# Allegro board 08_038702e.brd (continued)
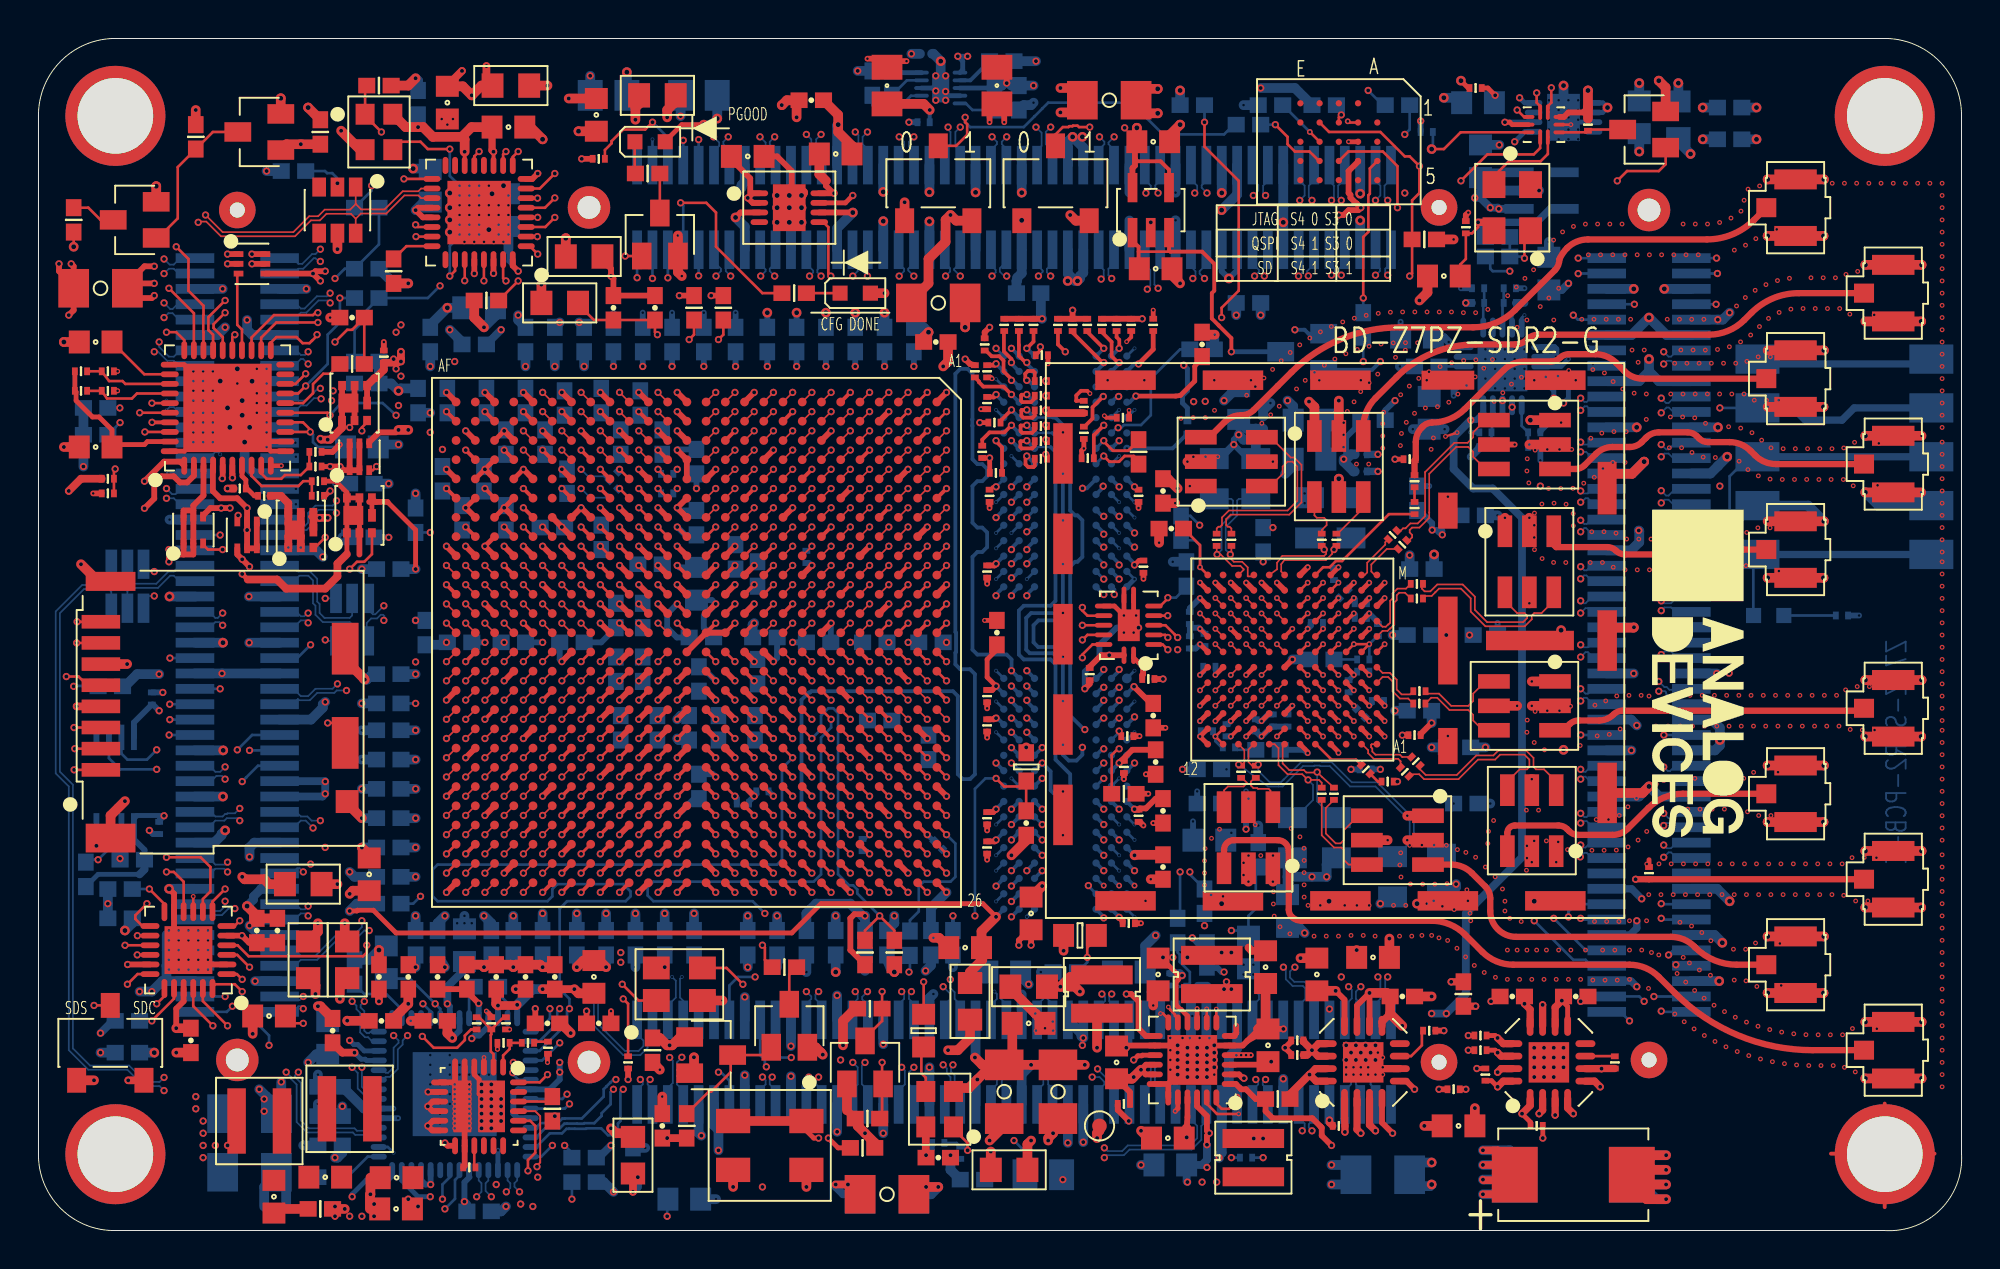
[diagram p0: board, top side]
## Nets (continued)
IO_L01_13_JX2_P: JX2.1(N1) U1.AA25(IO_L1P_T0_13)
IO_L01_33_JX1_N: JX1.37(N19) U1.F4(IO_L1N_T0_33)
IO_L01_33_JX1_P: JX1.35(N18) U1.G4(IO_L1P_T0_33)
IO_L01_34_JX4_N: JX4.21(N11) U1.H11(IO_L1N_T0_34)
IO_L01_34_JX4_P: JX4.19(N10) U1.J11(IO_L1P_T0_34)
IO_L01_35_RX_D0_N: U1.E12(IO_L1N_T0_AD0N_35) U17.K11(P1_D0/RX_D0_N)
IO_L01_35_RX_D0_P: U1.F12(IO_L1P_T0_AD0P_35) U17.J12(P1_D1/RX_D0_P)
IO_L02_12_JX3_N: JX3.27(N14) U1.AC11(IO_L2N_T0_12)
IO_L02_12_JX3_P: JX3.25(N13) U1.AB12(IO_L2P_T0_12)
IO_L02_13_JX2_N: JX2.4(N2) U1.AC26(IO_L2N_T0_13)
IO_L02_13_JX2_P: JX2.2(N1) U1.AB26(IO_L2P_T0_13)
IO_L02_33_JX1_N: JX1.43(N22) U1.D3(IO_L2N_T0_33)
IO_L02_33_JX1_P: JX1.41(N21) U1.D4(IO_L2P_T0_33)
IO_L02_34_JX4_N: JX4.22(N11) U1.G5(IO_L2N_T0_34)
IO_L02_34_JX4_P: JX4.20(N10) U1.G6(IO_L2P_T0_34)
IO_L02_35_RX_D1_N: U1.D10(IO_L2N_T0_AD8N_35) U17.K10(P1_D2/RX_D1_N)
IO_L02_35_RX_D1_P: U1.E10(IO_L2P_T0_AD8P_35) U17.J11(P1_D3/RX_D1_P)
IO_L03_12_JX3_N: JX3.28(N14) U1.AA10(IO_L3N_T0_DQS_12)
IO_L03_12_JX3_P: JX3.26(N13) U1.Y10(IO_L3P_T0_DQS_12)
IO_L03_13_JX2_N: JX2.7(N4) U1.AE26(IO_L3N_T0_DQS_13)
IO_L03_13_JX2_P: JX2.5(N3) U1.AE25(IO_L3P_T0_DQS_13)
IO_L03_33_JX1_N: JX1.44(N22) U1.F2(IO_L3N_T0_DQS_33)
IO_L03_33_JX1_P: JX1.42(N21) U1.G2(IO_L3P_T0_DQS_33)
IO_L03_34_JX4_N: JX4.27(N14) U1.G9(IO_L3N_T0_DQS_34)
IO_L03_34_JX4_P: JX4.25(N13) R53.1(N1) U1.H9(PUDC_B)
IO_L03_35_RX_D2_N: U1.F10(IO_L3N_T0_DQS_AD1N_35) U17.K9(P1_D4/RX_D2_N)
IO_L03_35_RX_D2_P: U1.G10(IO_L3P_T0_DQS_AD1P_35) U17.J10(P1_D5/RX_D2_P)
IO_L04_12_JX3_N: JX3.33(N17) U1.AB10(IO_L4N_T0_12)
IO_L04_12_JX3_P: JX3.31(N16) U1.AB11(IO_L4P_T0_12)
IO_L04_13_JX2_N: JX2.8(N4) U1.AD26(IO_L4N_T0_13)
IO_L04_13_JX2_P: JX2.6(N3) U1.AD25(IO_L4P_T0_13)
IO_L04_33_JX1_N: JX1.49(N25) U1.C1(IO_L4N_T0_33)
IO_L04_33_JX1_P: JX1.47(N24) U1.D1(IO_L4P_T0_33)
IO_L04_34_JX4_N: JX4.28(N14) U1.H6(IO_L4N_T0_34)
IO_L04_34_JX4_P: JX4.26(N13) U1.H7(IO_L4P_T0_34)
IO_L04_35_RX_D3_N: U1.D11(IO_L4N_T0_35) U17.K8(P1_D6/RX_D3_N)
IO_L04_35_RX_D3_P: U1.E11(IO_L4P_T0_35) U17.J9(P1_D7/RX_D3_P)
IO_L05_12_JX3_N: JX3.44(N22) U1.Y13(IO_L5N_T0_12)
IO_L05_12_JX3_P: JX3.42(N21) U1.W13(IO_L5P_T0_12)
IO_L05_33_JX1_N: JX1.56(N3) U1.E1(IO_L5N_T0_33)
IO_L05_33_JX1_P: JX1.54(N2) U1.E2(IO_L5P_T0_33)
IO_L05_34_JX4_N: JX4.33(N17) U1.J9(IO_L5N_T0_34)
IO_L05_34_JX4_P: JX4.31(N16) U1.J10(IO_L5P_T0_34)
IO_L05_35_RX_D4_N: U1.G11(IO_L5N_T0_AD9N_35) U17.K7(P1_D8/RX_D4_N)
IO_L05_35_RX_D4_P: U1.G12(IO_L5P_T0_AD9P_35) U17.J8(P1_D9/RX_D4_P)
IO_L06_12_JX3_N: JX3.66(N8) U1.AA12(IO_L6N_T0_VREF_12)
IO_L06_12_JX3_P: JX3.64(N7) U1.AA13(IO_L6P_T0_12)
IO_L06_13_JX2_N: JX2.20(N10) U1.AB24(IO_L6N_T0_VREF_13)
IO_L06_13_JX2_P: JX2.18(N9) U1.AA24(IO_L6P_T0_13)
IO_L06_33_JX1_N: JX1.63(N7) U1.E3(IO_L6N_T0_VREF_33)
IO_L06_33_JX1_P: JX1.61(N6) U1.F3(IO_L6P_T0_33)
IO_L06_34_JX4_N: JX4.34(N17) U1.H8(IO_L6N_T0_VREF_34)
IO_L06_34_JX4_P: JX4.32(N16) U1.J8(IO_L6P_T0_34)
IO_L06_35_RX_D5_N: U1.E13(IO_L6N_T0_VREF_35) U17.J7(P1_D10/RX_D5_N)
IO_L06_35_RX_D5_P: U1.F13(IO_L6P_T0_35) U17.H8(P1_D11/RX_D5_P)
IO_L07_12_JX3_N: JX3.75(N13) U1.AD10(IO_L7N_T1_12)
IO_L07_12_JX3_P: JX3.73(N12) U1.AE10(IO_L7P_T1_12)
IO_L07_13_JX2_N: JX2.25(N13) U1.AF22(IO_L7N_T1_13)
IO_L07_13_JX2_P: JX2.23(N12) U1.AE22(IO_L7P_T1_13)
IO_L07_33_JX1_N: JX1.64(N7) U1.H1(IO_L7N_T1_33)
IO_L07_33_JX1_P: JX1.62(N6) U1.J1(IO_L7P_T1_33)
IO_L07_34_JX4_N: JX4.37(N19) U1.E5(IO_L7N_T1_34)
IO_L07_34_JX4_P: JX4.35(N18) U1.F5(IO_L7P_T1_34)
IO_L07_35_RX_FRAME_N: U1.H12(IO_L7N_T1_AD2N_35) U17.G7(RX_FRAME_N)
IO_L07_35_RX_FRAME_P: U1.H13(IO_L7P_T1_AD2P_35) U17.G8(RX_FRAME_P)
IO_L08_12_JX3_N: JX3.76(N13) U1.AF12(IO_L8N_T1_12)
IO_L08_12_JX3_P: JX3.74(N12) U1.AE12(IO_L8P_T1_12)
IO_L08_13_JX2_N: JX2.26(N13) U1.AF23(IO_L8N_T1_13)
IO_L08_13_JX2_P: JX2.24(N12) U1.AE23(IO_L8P_T1_13)
IO_L08_33_JX1_N: JX1.69(N10) U1.H3(IO_L8N_T1_33)
IO_L08_33_JX1_P: JX1.67(N9) U1.H4(IO_L8P_T1_33)
IO_L08_34_JX4_N: JX4.38(N19) U1.D8(IO_L8N_T1_34)
IO_L08_34_JX4_P: JX4.36(N18) U1.D9(IO_L8P_T1_34)
IO_L08_35_FB_CLK_N: U1.J13(IO_L8N_T1_AD10N_35) U17.G10(FB_CLK_N)
IO_L08_35_FB_CLK_P: U1.K13(IO_L8P_T1_AD10P_35) U17.F10(FB_CLK_P)
IO_L09_12_JX3_N: JX3.81(N16) U1.AF10(IO_L9N_T1_DQS_12)
IO_L09_12_JX3_P: JX3.79(N15) U1.AE11(IO_L9P_T1_DQS_12)
IO_L09_13_JX2_N: JX2.31(N16) U1.AB22(IO_L9N_T1_DQS_13)
IO_L09_13_JX2_P: JX2.29(N15) U1.AB21(IO_L9P_T1_DQS_13)
IO_L09_33_JX1_N: JX1.70(N10) U1.K1(IO_L9N_T1_DQS_33)
IO_L09_33_JX1_P: JX1.68(N9) U1.K2(IO_L9P_T1_DQS_33)
IO_L09_34_JX4_N: JX4.43(N22) U1.E8(IO_L9N_T1_DQS_34)
IO_L09_34_JX4_P: JX4.41(N21) U1.F9(IO_L9P_T1_DQS_34)
IO_L09_35_TX_FRAME_N: U1.J15(IO_L9N_T1_DQS_AD3N_35) U17.H9(TX_FRAME_N)
IO_L09_35_TX_FRAME_P: U1.K15(IO_L9P_T1_DQS_AD3P_35) U17.G9(TX_FRAME_P)
IO_L10_12_JX3_N: JX3.82(N16) U1.AF13(IO_L10N_T1_12)
IO_L10_12_JX3_P: JX3.80(N15) U1.AE13(IO_L10P_T1_12)
IO_L10_13_JX2_N: JX2.32(N16) U1.AA23(IO_L10N_T1_13)
IO_L10_13_JX2_P: JX2.30(N15) U1.AA22(IO_L10P_T1_13)
IO_L10_33_JX1_N: JX1.75(N13) U1.G1(IO_L10N_T1_33)
IO_L10_33_JX1_P: JX1.73(N12) U1.H2(IO_L10P_T1_33)
IO_L10_34_JX4_N: JX4.44(N22) U1.D5(IO_L10N_T1_34)
IO_L10_34_JX4_P: JX4.42(N21) U1.E6(IO_L10P_T1_34)
IO_L10_35_EN_AGC: U1.G16(IO_L10P_T1_AD11P_35) U17.G5(EN_AGC)
IO_L10_35_SYNC_IN: R111.2(N2) U1.G15(IO_L10N_T1_AD11N_35) U17.H5(SYNC_IN)
IO_L11_35_ENABLE: U1.G14(IO_L11P_T1_SRCC_35) U17.G6(ENABLE)
IO_L11_35_TXNRX: U1.F14(IO_L11N_T1_SRCC_35) U17.H4(TXNRX)
IO_L11_SRCC_12_JX3_N: JX3.87(N19) U1.AD11(IO_L11N_T1_SRCC_12)
IO_L11_SRCC_12_JX3_P: JX3.85(N18) U1.AC12(IO_L11P_T1_SRCC_12)
IO_L11_SRCC_13_JX2_N: JX2.37(N19) U1.AD24(IO_L11N_T1_SRCC_13)
IO_L11_SRCC_13_JX2_P: JX2.35(N18) U1.AD23(IO_L11P_T1_SRCC_13)
IO_L11_SRCC_33_JX1_N: JX1.76(N13) U1.K3(IO_L11N_T1_SRCC_33)
IO_L11_SRCC_33_JX1_P: JX1.74(N12) U1.L3(IO_L11P_T1_SRCC_33)
IO_L11_SRCC_34_JX4_N: JX4.47(N24) U1.E7(IO_L11N_T1_SRCC_34)
IO_L11_SRCC_34_JX4_P: JX4.45(N23) U1.F8(IO_L11P_T1_SRCC_34)
IO_L12_MRCC_12_JX3_N: JX3.88(N19) U1.AD13(IO_L12N_T1_MRCC_12)
IO_L12_MRCC_12_JX3_P: JX3.86(N18) U1.AC13(IO_L12P_T1_MRCC_12)
IO_L12_MRCC_13_JX2_N: JX2.38(N19) U1.AC24(IO_L12N_T1_MRCC_13)
IO_L12_MRCC_13_JX2_P: JX2.36(N18) U1.AC23(IO_L12P_T1_MRCC_13)
IO_L12_MRCC_33_JX1_N: JX1.83(N17) U1.J3(IO_L12N_T1_MRCC_33)
IO_L12_MRCC_33_JX1_P: JX1.81(N16) U1.J4(IO_L12P_T1_MRCC_33)
IO_L12_MRCC_34_JX4_N: JX4.48(N24) U1.F7(IO_L12N_T1_MRCC_34)
IO_L12_MRCC_34_JX4_P: JX4.46(N23) U1.G7(IO_L12P_T1_MRCC_34)
IO_L12_MRCC_35_DATA_CLK_N: U1.H14(IO_L12N_T1_MRCC_35) U17.H11(DATA_CLK_N)
IO_L12_MRCC_35_DATA_CLK_P: U1.J14(IO_L12P_T1_MRCC_35) U17.G11(DATA_CLK_P)
IO_L13_35_TX_D0_N: U1.D14(IO_L13N_T2_MRCC_35) U17.E12(P0_D0/TX_D0_N)
IO_L13_35_TX_D0_P: U1.D15(IO_L13P_T2_MRCC_35) U17.D11(P0_D1/TX_D0_P)
IO_L13_MRCC_12_JX3_N: JX3.93(N22) U1.AD14(IO_L13N_T2_MRCC_12)
IO_L13_MRCC_12_JX3_P: JX3.91(N21) U1.AC14(IO_L13P_T2_MRCC_12)
IO_L13_MRCC_13_JX2_N: JX2.43(N22) U1.AD21(IO_L13N_T2_MRCC_13)
IO_L13_MRCC_13_JX2_P: JX2.41(N21) U1.AD20(IO_L13P_T2_MRCC_13)
IO_L13_MRCC_33_JX1_N: JX1.84(N17) U1.M5(IO_L13N_T2_MRCC_33)
IO_L13_MRCC_33_JX1_P: JX1.82(N16) U1.M6(IO_L13P_T2_MRCC_33)
IO_L13_MRCC_34_JX4_N: JX4.53(N2) U1.C7(IO_L13N_T2_MRCC_34)
IO_L13_MRCC_34_JX4_P: JX4.51(N1) U1.C8(IO_L13P_T2_MRCC_34)
IO_L14_35_TX_D1_N: U1.E15(IO_L14N_T2_AD4N_SRCC_35) U17.E11(P0_D2/TX_D1_N)
IO_L14_35_TX_D1_P: U1.F15(IO_L14P_T2_AD4P_SRCC_35) U17.D10(P0_D3/TX_D1_P)
IO_L14_SRCC_12_JX3_N: JX3.94(N22) U1.AB14(IO_L14N_T2_SRCC_12)
IO_L14_SRCC_12_JX3_P: JX3.92(N21) U1.AB15(IO_L14P_T2_SRCC_12)
IO_L14_SRCC_13_JX2_N: JX2.44(N22) U1.AC22(IO_L14N_T2_SRCC_13)
IO_L14_SRCC_13_JX2_P: JX2.42(N21) U1.AC21(IO_L14P_T2_SRCC_13)
IO_L14_SRCC_33_JX1_N: JX1.50(N25) U1.L4(IO_L14N_T2_SRCC_33)
IO_L14_SRCC_33_JX1_P: JX1.48(N24) U1.L5(IO_L14P_T2_SRCC_33)
IO_L14_SRCC_34_JX4_N: JX4.54(N2) U1.C6(IO_L14N_T2_SRCC_34)
IO_L14_SRCC_34_JX4_P: JX4.52(N1) U1.D6(IO_L14P_T2_SRCC_34)
IO_L15_12_JX3_N: JX3.99(N25) U1.AD15(IO_L15N_T2_DQS_12)
IO_L15_12_JX3_P: JX3.97(N24) U1.AD16(IO_L15P_T2_DQS_12)
IO_L15_13_JX2_N: JX2.49(N25) U1.AF20(IO_L15N_T2_DQS_13)
IO_L15_13_JX2_P: JX2.47(N24) U1.AF19(IO_L15P_T2_DQS_13)
IO_L15_33_JX1_N: JX1.55(N3) U1.N2(IO_L15N_T2_DQS_33)
IO_L15_33_JX1_P: JX1.53(N2) U1.N3(IO_L15P_T2_DQS_33)
IO_L15_34_JX4_N: JX4.59(N5) U1.B9(IO_L15N_T2_DQS_34)
IO_L15_34_JX4_P: JX4.57(N4) U1.C9(IO_L15P_T2_DQS_34)
IO_L15_35_TX_D2_N: U1.C16(IO_L15N_T2_DQS_AD12N_35) U17.E10(P0_D4/TX_D2_N)
IO_L15_35_TX_D2_P: U1.C17(IO_L15P_T2_DQS_AD12P_35) U17.D9(P0_D5/TX_D2_P)
IO_L16_12_JX3_N: JX3.100(N25) U1.AF14(IO_L16N_T2_12)
IO_L16_12_JX3_P: JX3.98(N24) U1.AF15(IO_L16P_T2_12)
IO_L16_13_JX2_N: JX2.50(N25) U1.AE21(IO_L16N_T2_13)
IO_L16_13_JX2_P: JX2.48(N24) U1.AE20(IO_L16P_T2_13)
IO_L16_33_JX1_N: JX1.13(N7) U1.L2(IO_L16N_T2_33)
IO_L16_33_JX1_P: JX1.11(N6) U1.M2(IO_L16P_T2_33)
IO_L16_34_JX4_N: JX4.60(N5) U1.A10(IO_L16N_T2_34)
IO_L16_34_JX4_P: JX4.58(N4) U1.B10(IO_L16P_T2_34)
IO_L16_35_TX_D3_N: U1.D16(IO_L16N_T2_35) U17.E9(P0_D6/TX_D3_N)
IO_L16_35_TX_D3_P: U1.E16(IO_L16P_T2_35) U17.D8(P0_D7/TX_D3_P)
IO_L17_12_JX2_N: JX2.84(N17) U1.AE15(IO_L17N_T2_12)
IO_L17_12_JX2_P: JX2.82(N16) U1.AE16(IO_L17P_T2_12)
IO_L17_13_JX2_N: JX2.55(N3) U1.AD19(IO_L17N_T2_13)
IO_L17_13_JX2_P: JX2.53(N2) U1.AD18(IO_L17P_T2_13)
IO_L17_33_JX1_N: JX1.14(N7) U1.M4(IO_L17N_T2_33)
IO_L17_33_JX1_P: JX1.12(N6) U1.N4(IO_L17P_T2_33)
IO_L17_34_JX4_N: JX4.69(N10) U1.A8(IO_L17N_T2_34)
IO_L17_34_JX4_P: JX4.67(N9) U1.A9(IO_L17P_T2_34)
IO_L17_35_TX_D4_N: U1.B15(IO_L17N_T2_AD5N_35) U17.E8(P0_D8/TX_D4_N)
IO_L17_35_TX_D4_P: U1.B16(IO_L17P_T2_AD5P_35) U17.D7(P0_D9/TX_D4_P)
IO_L18_12_JX2_N: JX2.83(N17) U1.AF17(IO_L18N_T2_12)
IO_L18_12_JX2_P: JX2.81(N16) U1.AE17(IO_L18P_T2_12)
IO_L18_13_JX2_N: JX2.56(N3) U1.AF18(IO_L18N_T2_13)
IO_L18_13_JX2_P: JX2.54(N2) U1.AE18(IO_L18P_T2_13)
IO_L18_33_JX1_N: JX1.19(N10) U1.M1(IO_L18N_T2_33)
IO_L18_33_JX1_P: JX1.17(N9) U1.N1(IO_L18P_T2_33)
IO_L18_34_JX4_N: JX4.70(N10) U1.A7(IO_L18N_T2_34)
IO_L18_34_JX4_P: JX4.68(N9) U1.B7(IO_L18P_T2_34)
IO_L18_35_TX_D5_N: U1.A17(IO_L18N_T2_AD13N_35) U17.F8(P0_D10/TX_D5_N)
IO_L18_35_TX_D5_P: U1.B17(IO_L18P_T2_AD13P_35) U17.E7(P0_D11/TX_D5_P)
IO_L19_12_JX2_N: JX2.90(N20) U1.AA17(IO_L19N_T3_VREF_12)
IO_L19_12_JX2_P: JX2.88(N19) U1.Y17(IO_L19P_T3_12)
IO_L19_13_JX2_N: JX2.63(N7) U1.Y20(IO_L19N_T3_VREF_13)
IO_L19_13_JX2_P: JX2.61(N6) U1.W20(IO_L19P_T3_13)
IO_L19_33_JX1_N: JX1.20(N10) U1.L7(IO_L19N_T3_VREF_33)
IO_L19_33_JX1_P: JX1.18(N9) U1.M7(IO_L19P_T3_33)
IO_L19_34_JX4_N: JX4.75(N13) U1.C3(IO_L19N_T3_VREF_34)
IO_L19_34_JX4_P: JX4.73(N12) U1.C4(IO_L19P_T3_34)
IO_L19_35_CTRL_OUT0: U1.D13(IO_L19P_T3_35) U17.D4(CTRL_OUT0)
IO_L19_35_CTRL_OUT1: U1.C13(IO_L19N_T3_VREF_35) U17.E4(CTRL_OUT1)
IO_L20_12_JX2_N: JX2.89(N20) U1.AB16(IO_L20N_T3_12)
IO_L20_12_JX2_P: JX2.87(N19) U1.AB17(IO_L20P_T3_12)
IO_L20_13_JX2_N: JX2.64(N7) U1.AB20(IO_L20N_T3_13)
IO_L20_13_JX2_P: JX2.62(N6) U1.AA20(IO_L20P_T3_13)
IO_L20_33_JX1_N: JX1.25(N13) U1.J5(IO_L20N_T3_33)
IO_L20_33_JX1_P: JX1.23(N12) U1.K5(IO_L20P_T3_33)
IO_L20_34_JX4_N: JX4.76(N13) U1.B4(IO_L20N_T3_34)
IO_L20_34_JX4_P: JX4.74(N12) U1.B5(IO_L20P_T3_34)
IO_L20_35_CTRL_OUT2: U1.C14(IO_L20P_T3_AD6P_35) U17.E5(CTRL_OUT2)
IO_L20_35_CTRL_OUT3: U1.B14(IO_L20N_T3_AD6N_35) U17.E6(CTRL_OUT3)
IO_L21_12_JX2_N: JX2.95(N23) U1.AC16(IO_L21N_T3_DQS_12)
IO_L21_12_JX2_P: JX2.93(N22) U1.AC17(IO_L21P_T3_DQS_12)
IO_L21_13_JX2_N: JX2.69(N10) U1.AC19(IO_L21N_T3_DQS_13)
IO_L21_13_JX2_P: JX2.67(N9) U1.AC18(IO_L21P_T3_DQS_13)
IO_L21_33_JX1_N: JX1.26(N13) U1.L8(IO_L21N_T3_DQS_33)
IO_L21_33_JX1_P: JX1.24(N12) U1.M8(IO_L21P_T3_DQS_33)
IO_L21_34_JX4_N: JX4.79(N15) U1.A5(IO_L21N_T3_DQS_34)
IO_L21_34_JX4_P: JX4.77(N14) U1.B6(IO_L21P_T3_DQS_34)
IO_L21_35_CTRL_OUT4: U1.A15(IO_L21P_T3_DQS_AD14P_35) U17.F6(CTRL_OUT4)
IO_L21_35_CTRL_OUT5: U1.A14(IO_L21N_T3_DQS_AD14N_35) U17.F5(CTRL_OUT5)
IO_L22_12_JX2_N: JX2.96(N23) U1.AA14(IO_L22N_T3_12)
IO_L22_12_JX2_P: JX2.94(N22) U1.AA15(IO_L22P_T3_12)
IO_L22_13_JX2_N: JX2.70(N10) U1.AB19(IO_L22N_T3_13)
IO_L22_13_JX2_P: JX2.68(N9) U1.AA19(IO_L22P_T3_13)
IO_L22_33_JX1_N: JX1.31(N16) U1.J6(IO_L22N_T3_33)
IO_L22_33_JX1_P: JX1.29(N15) U1.K6(IO_L22P_T3_33)
IO_L22_34_JX4_N: JX4.80(N15) U1.A3(IO_L22N_T3_34)
IO_L22_34_JX4_P: JX4.78(N14) U1.A4(IO_L22P_T3_34)
IO_L22_35_CTRL_OUT6: U1.C12(IO_L22P_T3_AD7P_35) U17.F4(CTRL_OUT6)
IO_L22_35_CTRL_OUT7: U1.B12(IO_L22N_T3_AD7N_35) U17.G4(CTRL_OUT7)
IO_L23_12_JX2_N: JX2.99(N25) U1.Y15(IO_L23N_T3_12)
IO_L23_12_JX2_P: JX2.97(N24) U1.Y16(IO_L23P_T3_12)
IO_L23_13_JX2_N: JX2.75(N13) U1.W19(IO_L23N_T3_13)
IO_L23_13_JX2_P: JX2.73(N12) U1.W18(IO_L23P_T3_13)
IO_L23_33_JX1_N: JX1.32(N16) U1.N6(IO_L23N_T3_33)
IO_L23_33_JX1_P: JX1.30(N15) U1.N7(IO_L23P_T3_33)
IO_L23_34_CTRL_IN0: U1.C2(IO_L23P_T3_34) U22.13(B0)
IO_L23_34_CTRL_IN1: U1.B1(IO_L23N_T3_34) U22.12(B1)
IO_L23_35_SPI_CLK: U1.B11(IO_L23N_T3_35) U17.J5(SPI_CLK)
IO_L23_35_SPI_ENB: U1.C11(IO_L23P_T3_35) U17.K6(SPI_ENB)
IO_L24_12_JX4_N: JX4.15(N8) U1.W15(IO_L24N_T3_12)
IO_L24_12_JX4_P: JX4.13(N7) U1.W16(IO_L24P_T3_12)
IO_L24_13_JX2_N: JX2.76(N13) U1.AA18(IO_L24N_T3_13)
IO_L24_13_JX2_P: JX2.74(N12) U1.Y18(IO_L24P_T3_13)
IO_L24_33_JX1_N: JX1.38(N19) U1.K7(IO_L24N_T3_33)
IO_L24_33_JX1_P: JX1.36(N18) U1.K8(IO_L24P_T3_33)
IO_L24_34_CTRL_IN2: U1.B2(IO_L24P_T3_34) U22.11(B2)
IO_L24_34_CTRL_IN3: U1.A2(IO_L24N_T3_34) U22.10(B3)
IO_L24_35_SPI_DI: U1.A13(IO_L24P_T3_AD15P_35) U17.J4(SPI_DI)
IO_L24_35_SPI_DO: U1.A12(IO_L24N_T3_AD15N_35) U17.L6(SPI_DO)
J3-9: J3.9(N9) R36.2(N2) U5.7(S2B)
JTAG_TCK: JX1.1(N1) U1.W12(TCK_0)
JTAG_TDI: JX1.4(N2) U1.V11(TDI_0)
JTAG_TDO: JX1.3(N2) U1.W10(TDO_0)
JTAG_TMS: JX1.2(N1) U1.W11(TMS_0)
JX3_SD1_CDN: JX3.41(N21) U5.9(S2A)
JX_MGTAVCC: JX3.5(N3) JX3.7(N4) JX3.9(N5) JX3.11(N6) Q8.1(D1) Q8.2(D2) Q8.5(D3) Q8.6(D4) U7.3(VX3)
JX_MGTAVTT: JX3.30(N15) JX3.32(N16) Q7.1(D1) Q7.2(D2) Q7.5(D3) Q7.6(D4) U7.4(VX4)
JX_VCCO_12: JX1.78(N14) JX1.79(N15) JX1.80(N15) Q11.1(D1) Q11.2(D2) Q11.5(D3) Q11.6(D4) Q11.PAD1(D5) R70.1(N1)
JX_VCCO_12_SEQ: R69.1(N1) R70.2(N2) U7.7(VP2)
JX_VCCO_13: JX2.98(N24) JX3.45(N23) JX3.46(N23) Q9.1(D1) Q9.2(D2) Q9.5(D3) Q9.6(D4) Q9.PAD1(D5) R72.1(N1)
JX_VCCO_13_SEQ: R71.1(N1) R72.2(N2) U7.8(VP3)
JX_VCCO_33_34: JX2.78(N14) JX2.79(N15) JX2.80(N15) Q10.1(D1) Q10.2(D2) Q10.5(D3) Q10.6(D4) R73.1(N1)
JX_VCCO_33_34_SEQ: R73.2(N2) R74.1(N1) U7.9(VP4)
JX_VIN: D1.1(N1) JX1.57(N4) JX1.58(N4) JX1.59(N5) JX1.60(N5) JX2.12(N6) JX2.57(N4) JX2.58(N4) JX2.59(N5) JX2.60(N5) Q13.1(D1) Q13.2(D2) Q13.5(D3) Q13.6(D4) Q13.PAD1(D5)
MGTAVCC: C64.1(N1) C220.1(N1) C222.1(N1) C227.1(N1) C229.1(N1) C231.1(N1) C233.1(N1) C235.1(N1) C237.1(N1) C239.1(N1) Q8.4(S) U1.AA4(MGTAVCC1) U1.AA8(MGTAVCC2) U1.AB6(MGTAVCC3) U1.AC8(MGTAVCC4) U1.AD6(MGTAVCC5) U1.AE8(MGTAVCC6) U1.R4(MGTAVCC7) U1.T6(MGTAVCC8) U1.U4(MGTAVCC9) U1.Y6(MGTAVCC10)
MGTAVCC_EN: Q8.3(G) U7.25(PDO6)
MGTAVTT: C221.1(N1) C223.1(N1) C228.1(N1) C230.1(N1) C232.1(N1) C234.1(N1) C236.1(N1) C238.1(N1) C240.1(N1) C241.1(N1) Q7.4(S) R10.1(N1) U1.AB2(MGTAVTT1) U1.AB7(MGTAVTTRCAL_112) U1.AC4(MGTAVTT2) U1.AD2(MGTAVTT3) U1.AE4(MGTAVTT4) U1.AF2(MGTAVTT5) U1.AF6(MGTAVTT6) U1.T2(MGTAVTT7) U1.V2(MGTAVTT8) U1.W4(MGTAVTT9) U1.Y2(MGTAVTT10)
MGTAVTT_EN: Q7.3(G) U7.26(PDO5)
MGTREFCLK0_112_JX1_N: C45.1(N1) JX1.89(N20)
MGTREFCLK0_112_JX1_P: C47.1(N1) JX1.87(N19)
MGTREFCLK1_112_JX3_N: C48.1(N1) JX3.4(N2)
MGTREFCLK1_112_JX3_P: C46.1(N1) JX3.2(N1)
MGTXRX0_112_JX1_N: JX1.90(N20) U1.AB3(MGTXRXN0_112)
MGTXRX0_112_JX1_P: JX1.88(N19) U1.AB4(MGTXRXP0_112)
MGTXRX1_112_JX1_N: JX1.93(N22) U1.Y3(MGTXRXN1_112)
MGTXRX1_112_JX1_P: JX1.91(N21) U1.Y4(MGTXRXP1_112)
MGTXRX2_112_JX1_N: JX1.94(N22) U1.V3(MGTXRXN2_112)
MGTXRX2_112_JX1_P: JX1.92(N21) U1.V4(MGTXRXP2_112)
MGTXRX3_112_JX1_N: JX1.99(N25) U1.T3(MGTXRXN3_112)
MGTXRX3_112_JX1_P: JX1.97(N24) U1.T4(MGTXRXP3_112)
MGTXTX0_112_JX3_N: JX3.10(N5) U1.AA1(MGTXTXN0_112)
MGTXTX0_112_JX3_P: JX3.8(N4) U1.AA2(MGTXTXP0_112)
MGTXTX1_112_JX3_N: JX3.15(N8) U1.W1(MGTXTXN1_112)
MGTXTX1_112_JX3_P: JX3.13(N7) U1.W2(MGTXTXP1_112)
MGTXTX2_112_JX3_N: JX3.16(N8) U1.U1(MGTXTXN2_112)
MGTXTX2_112_JX3_P: JX3.14(N7) U1.U2(MGTXTXP2_112)
MGTXTX3_112_JX3_N: JX3.21(N11) U1.R1(MGTXTXN3_112)
MGTXTX3_112_JX3_P: JX3.19(N10) U1.R2(MGTXTXP3_112)
PG_1P8V: JX2.10(N5) R81.1(N1) U4.1(PG3) U19.4(EN) U20.4(EN)
PG_MODULE: JX2.11(N6) Q14.1(G) R43.2(N2) U7.21(PDO10)
PHY1_1V8: C74.1(N1) C78.1(N1) C206.1(N1) C212.1(N1) E14.2(N2) R11.1(N1) U10.10(VDDO_SEL) U10.11(VDDO_1) U10.49(VDDO_2) U10.52(VDDO_3)
PHY1_AVDD_1V8: C201.1(N1) C203.1(N1) C210.1(N1) C211.1(N1) C218.1(N1) C219.1(N1) U10.3(AVDD18_1) U10.19(AVDD18_2) U10.26(AVDD18_3) U10.35(AVDDC18) U10.38(AVDD18_4) U10.39(AVDD18_OUT) U24.5(VIN7)
PHY1_AVDD_3V3: C49.1(N1) C208.1(N1) C214.1(N1) C217.1(N1) E15.2(N2) U10.20(AVDD33_1) U10.25(AVDD33_2)
PHY1_DVDD_1V0: C58.1(N1) C63.1(N1) C73.1(N1) C75.1(N1) U10.6(DVDD_1) U10.40(DVDD_OUT) U10.42(DVDD_2)
PHY1_LED_0: Q2.1(G) R14.1(N1) U10.14(LED(0))
PHY1_LED_1: Q1.1(G) R13.1(N1) U10.13(LED(1))
PHY1_VDD_3V3: C50.1(N1) C224.1(N1) C225.1(N1) C226.1(N1) E16.2(N2) R15.1(N1) R16.1(N1) U10.36(REG_IN)
PS-SRST#: Q5.2(S) R7.2(N2) R19.1(N1) U1.A22(PS_SRST_B_501)
PS_1.35V_EN: U4.7(EN2) U7.22(PDO9)
PS_MIO00_500_JX4: JX4.97(N24) U1.E26(PS_MIO0_500)
PS_MIO01_500_QSPI0_SS_B: R28.2(N2) U1.D26(PS_MIO1_500) U13.C2(S#)
PS_MIO02_500_QSPI0_IO0: R120.1(N1) U1.E25(PS_MIO2_500) U13.D3(DQ0)
PS_MIO03_500_QSPI0_IO1: R119.1(N1) U1.D25(PS_MIO3_500) U13.D2(DQ1)
PS_MIO04_500_QSPI0_IO2: R121.1(N1) U1.F24(PS_MIO4_500) U13.C4(W#/VPP/DQ2)
PS_MIO05_500_QSPI0_IO3: R122.1(N1) U1.C26(PS_MIO5_500) U13.D4(HOLD#/DQ3)
PS_MIO06_500_QSPI0_SCLK: R116.1(N1) U1.F23(PS_MIO6_500) U13.B2(C)
PS_MIO07_500_USB_RESET_B: R31.2(N2) U1.E23(PS_MIO7_500) U15.27(RESETB)
PS_MIO08_500_ETH0_RESETN: R32.2(N2) U1.A24(PS_MIO8_500) U10.16(RESETN)
PS_MIO09_500_USB_CLK_PD: R27.1(N1) U1.D24(PS_MIO9_500) Y3.1(STANDBY)
PS_MIO10_500_JX4: JX4.87(N19) U1.A25(PS_MIO10_500)
PS_MIO11_500_JX4: JX4.88(N19) U1.B26(PS_MIO11_500)
PS_MIO12_500_JX4: JX4.86(N18) R60.2(N2)
PS_MIO13_500_JX4: JX4.91(N21) U1.B25(PS_MIO13_500)
PS_MIO14_500_JX4: JX4.93(N22) U1.D23(PS_MIO14_500)
PS_MIO15_500_JX4: JX4.85(N18) U1.C24(PS_MIO15_500)
PS_MIO16_501_ETH0_TX_CLK: U1.G21(PS_MIO16_501) U10.53(TX_CLK)
PS_MIO17_501_ETH0_TX_D0: U1.G17(PS_MIO17_501) U10.50(TXD(0))
PS_MIO18_501_ETH0_TX_D1: U1.G20(PS_MIO18_501) U10.51(TXD(1))
PS_MIO19_501_ETH0_TX_D2: U1.G19(PS_MIO19_501) U10.54(TXD(2))
PS_MIO20_501_ETH0_TX_D3: U1.H19(PS_MIO20_501) U10.55(TXD(3))
PS_MIO21_501_ETH0_TX_CTL: U1.F22(PS_MIO21_501) U10.56(TX_CTRL)
PS_MIO22_501_ETH0_RX_CLK: U1.G22(PS_MIO22_501) U10.46(RX_CLK)
PS_MIO23_501_ETH0_RX_D0: U1.F20(PS_MIO23_501) U10.44(RXD(0))
PS_MIO24_501_ETH0_RX_D1: U1.J19(PS_MIO24_501) U10.45(RXD(1))
PS_MIO25_501_ETH0_RX_D2: U1.F19(PS_MIO25_501) U10.47(RXD(2))
PS_MIO26_501_ETH0_RX_D3: U1.H17(PS_MIO26_501) U10.48(RXD(3))
PS_MIO27_501_ETH0_RX_CTL: U1.F18(PS_MIO27_501) U10.43(RX_CTRL)
PS_MIO28_501_USB0_D4: U1.J18(PS_MIO28_501) U15.7(DATA4)
PS_MIO29_501_USB0_DIR: U1.E20(PS_MIO29_501) U15.31(DIR)
PS_MIO30_501_USB0_STP: U1.K19(PS_MIO30_501) U15.29(STP)
PS_MIO31_501_USB0_NXT: U1.E21(PS_MIO31_501) U15.2(NXT)
PS_MIO32_501_USB0_D0: U1.K17(PS_MIO32_501) U15.3(DATA0)
PS_MIO33_501_USB0_D1: U1.E22(PS_MIO33_501) U15.4(DATA1)
PS_MIO34_501_USB0_D2: U1.J16(PS_MIO34_501) U15.5(DATA2)
PS_MIO35_501_USB0_D3: U1.D19(PS_MIO35_501) U15.6(DATA3)
PS_MIO36_501_USB0_CLK: U1.K16(PS_MIO36_501) U15.1(CLKOUT)
PS_MIO37_501_USB0_D5: U1.D20(PS_MIO37_501) U15.9(DATA5)
PS_MIO38_501_USB0_D6: U1.D21(PS_MIO38_501) U15.10(DATA6)
PS_MIO39_501_USB0_D7: U1.C21(PS_MIO39_501) U15.13(DATA7)
PS_MIO40_501_SD0_CLK: U1.C22(PS_MIO40_501) U11.9(CLKA)
PS_MIO41_501_SD0_CMD: U1.C19(PS_MIO41_501) U11.4(CMDA)
PS_MIO42_501_SD0_DATA0: U1.F17(PS_MIO42_501) U11.6(DAT0A)
PS_MIO43_501_SD0_DATA1: U1.D18(PS_MIO43_501) U11.7(DAT1A)
PS_MIO44_501_SD0_DATA2: U1.E18(PS_MIO44_501) U11.1(DAT2A)
PS_MIO45_501_SD0_DATA3: U1.C18(PS_MIO45_501) U11.3(DAT3A)
PS_MIO46_501_JX4: JX4.92(N21) R37.2(N2) U1.E17(PS_MIO46_501)
PS_MIO47_501_JX4: JX4.94(N22) R26.1(N1) U1.B19(PS_MIO47_501)
PS_MIO48_501_JX4: JX4.99(N25) U1.B21(PS_MIO48_501)
PS_MIO49_501_JX4: JX4.98(N24) U1.A18(PS_MIO49_501)
PS_MIO50_501_SD0_CD: U1.B22(PS_MIO50_501) U5.8(D2)
PS_MIO51_501_JX4: JX4.100(N25) U1.B20(PS_MIO51_501)
PS_MIO52_501_ETH0_MDC: U1.A20(PS_MIO52_501) U10.7(MDC)
PS_MIO53_501_ETH0_MDIO: R11.2(N2) U1.A19(PS_MIO53_501) U10.8(MDIO)
PWR_ENABLE: JX1.5(N3) R56.2(N2) U4.12(EN1) U18.20(EN)
PWR_GD: R306.1(N1) U7.37(AUX2) U9.7(PG) U19.5(PG) U20.5(PG)
PWR_GD_1.35V: R3.2(N2) R29.2(N2) SW1.1A(N1) SW1.1B(N2) U1.C23(PS_POR_B_500) U4.2(PG2) U4.6(PG1) U18.21(PGOOD)
REF_IN_OUT: C202.1(N1) U7.13(REFIN) U7.14(REFOUT)
RX1A_N: C8.2(N2) U17.M2(RX1A_N)
RX1A_P: C9.2(N2) U17.M1(RX1A_P)
RX1B_N: C51.2(N2) U17.J1(RX1B_N)
RX1B_P: C52.2(N2) U17.H1(RX1B_P)
RX2A_N: C10.2(N2) U17.A1(RX2A_N)
RX2A_P: C11.2(N2) U17.A2(RX2A_P)
RX2B_N: C53.2(N2) U17.F1(RX2B_N)
RX2B_P: C56.2(N2) U17.E1(RX2B_P)
S_IN_N: JP2.3(B) U10.2(S_INN)
S_IN_P: JP1.3(B) U10.1(S_INP)
S_OUT_N: JP4.3(B) U10.5(S_OUTN)
S_OUT_P: JP3.3(B) U10.4(S_OUTP)
SCL: JX2.17(N9) R58.2(N2) U1.AF24(IO_L5P_T0_13) U21.2(SCLA)
SCL_ADM1166: P1.A4(N4A) P1.B4(N4B) R51.2(N2) U7.35(SCL) U21.7(SCLB) U24.15(SCL)
SD_SEL: S1.2(C) U5.5(IN2) U11.24(SEL)
SDA: JX2.19(N10) R57.2(N2) U1.AF25(IO_L5N_T0_13) U21.3(SDAA)
SDA_ADM1166: P1.A3(N3A) P1.B3(N3B) R52.2(N2) U7.36(SDA) U21.6(SDAB) U24.14(SDA)
SDIO_CLKB0: J3.5(N5) U11.19(CLKB0)
SDIO_CLKB1: JX3.43(N22) U11.13(CLKB1)
SDIO_CMDB0: J3.3(N3) R109.2(N2) U11.20(CMDB0)
SDIO_CMDB1: JX3.34(N17) R4.2(N2) U11.12(CMDB1)
SDIO_DAT0B0: J3.7(N7) U11.18(DAT0B0)
SDIO_DAT0B1: JX3.37(N19) U11.14(DAT0B1)
SDIO_DAT1B0: J3.8(N8) U11.16(DAT1B0)
SDIO_DAT1B1: JX3.36(N18) U11.15(DAT1B1)
SDIO_DAT2B0: J3.1(N1) U11.23(DAT2B0)
SDIO_DAT2B1: JX3.39(N20) U11.8(DAT2B1)
SDIO_DAT3B0: J3.2(N2) U11.22(DAT3B0)
SDIO_DAT3B1: JX3.38(N19) U11.10(DAT3B1)
SW1: L5.1(N1) U4.15(SW1)
SW2: L6.1(N1) U4.4(SW2)
SW3: L7.1(N1) U4.20(SW3)
TX1A_N: C25.1(N1) L8.2(N2) U17.M8(TX1A_N)
TX1A_P: C26.1(N1) L9.2(N2) U17.M7(TX1A_P)
TX1B_N: C29.1(N1) L1.2(N2) U17.M10(TX1B_N)
TX1B_P: C30.1(N1) L2.2(N2) U17.M9(TX1B_P)
TX2A_N: C32.1(N1) L10.2(N2) U17.A7(TX2A_N)
TX2A_P: C33.1(N1) L11.2(N2) U17.A8(TX2A_P)
TX2B_N: C34.1(N1) L3.2(N2) U17.A9(TX2B_N)
TX2B_P: C35.1(N1) L4.2(N2) U17.A10(TX2B_P)
TX_MON1: C6.2(N2) U17.M5(TX_MON1)
TX_MON2: C7.2(N2) U17.A5(TX_MON2)
TX_VCO_1P1V_SUPPLY: C104.2(N2) R123.1(N1) U17.A11(VDDA1P1_TX_VCO) U17.B11(TX_VCO_LDO_OUT)
UNNAMED_2_CAP_I87_N1: C242.1(N1) U10.41(REGCAP2)
UNNAMED_2_CAP_I87_N2: C242.2(N2) U10.37(REGCAP1)
UNNAMED_2_CAP_I88_N1: C60.1(N1) U10.34(XTAL_IN) Y2.3(N2)
UNNAMED_2_CAP_I90_N1: C59.1(N1) U10.33(XTAL_OUT) Y2.1(N1)
UNNAMED_2_DIO6PV8_I47_REF1: R178.2(N2) U16.2(REF1)
UNNAMED_2_IC88E151X_I86_CONFIG: R12.2(N2) U10.15(CONFIG)
UNNAMED_2_IC88E151X_I86_RSET: R50.1(N1) U10.30(RSET)
UNNAMED_2_ICUSB3320C_I42_RBIAS: R176.1(N1) U15.24(RBIAS)
UNNAMED_2_ICUSB3320C_I42_REFCLK: R175.1(N1) U15.26(REFCLK)
UNNAMED_2_ICXC7Z035_I20_PSMIOVR: R191.1(N1) R194.2(N2) U1.H18(PS_MIO_VREF_501)
UNNAMED_2_RES_I50_N2: R175.2(N2) Y3.3(OUTPUT)
UNNAMED_2_RES_I105_N1: Q4.3(D) R18.1(N1)
UNNAMED_2_RES_I108_N2: Q2.3(D) Q4.1(G) R16.2(N2)
UNNAMED_2_RES_I112_N1: Q3.3(D) R17.1(N1)
UNNAMED_2_RES_I114_N2: Q1.3(D) Q3.1(G) R15.2(N2)
UNNAMED_3_ADM1166_I104_A0: R30.2(N2) R38.1(N1) U7.33(A0)
UNNAMED_3_ADM1166_I104_A1: R39.2(N2) R40.1(N1) U7.34(A1)
UNNAMED_3_ADM1166_I104_DAC1: R41.1(N1) U7.15(DAC1)
UNNAMED_3_ADM1166_I104_DAC2: R42.1(N1) U7.16(DAC2)
UNNAMED_3_ADM1166_I104_DAC3: R44.1(N1) U7.17(DAC3)
UNNAMED_3_ADM1166_I104_DAC4: R45.1(N1) U7.18(DAC4)
UNNAMED_3_ADM1166_I104_VCCP: C204.1(N1) U7.32(VCCP)
UNNAMED_3_ICN25Q256AV2_I216_RES: R19.2(N2) U13.A4(RESET/NC)
UNNAMED_3_ICXC7Z035_I94_PSCLK50: R114.2(N2) U1.B24(PS_CLK_500)
UNNAMED_3_ICXC7Z035_I94_PSMIO12: R60.1(N1) U1.A23(PS_MIO12_500)
UNNAMED_3_RES_I9_N1: R114.1(N1) Y1.3(OUTPUT)
UNNAMED_3_RES_I30_N2: R121.2(N2) S3.2(C)
UNNAMED_3_RES_I33_N2: R122.2(N2) S4.2(C)
UNNAMED_3_RES_I237_N2: R76.2(N2) R77.1(N1) Y1.1(STANDBY)
UNNAMED_4_CN100PODDEVEN_I16_N4: JP3.2(COM) JX3.58(N4)
UNNAMED_4_CN100PODDEVEN_I16_N5: JP4.2(COM) JX3.60(N5)
UNNAMED_4_CN100PODDEVEN_I17_N4: JP1.2(COM) JX3.57(N4)
UNNAMED_4_CN100PODDEVEN_I17_N5: JP2.2(COM) JX3.59(N5)
UNNAMED_5_ICMT41K256M16_I195_ZQ: R165.1(N1) U2.L8(ZQ)
UNNAMED_5_ICMT41K256M16_I196_ZQ: R166.1(N1) U3.L8(ZQ)
UNNAMED_5_ICTPS51206_I120_S3: R222.2(N2) U14.7(S3)
UNNAMED_5_ICTPS51206_I120_S5: R221.2(N2) U14.9(S5)
UNNAMED_5_ICTPS51206_I120_VLDOI: R6.2(N2) U14.2(VLDOIN)
UNNAMED_5_ICTPS51206_I120_VTTSN: R161.2(N2) U14.5(VTTSNS)
UNNAMED_5_ICXC7Z035_I146_PSDD_1: R135.1(N1) U1.W21(PS_DDR_VRP_502)
UNNAMED_5_ICXC7Z035_I146_PSDDRV: R134.1(N1) U1.V21(PS_DDR_VRN_502)
UNNAMED_6_CAP_I20_N1: C178.1(N1) C251.1(N1) L12.2(N2) U1.M18(VCCPLL)
UNNAMED_6_CAP_I222_N1: C189.1(N1) C190.1(N1) E1.2(N2) U1.M14(VCCADC_0)
UNNAMED_6_CAP_I222_N2: C189.2(N2) C190.2(N2) E12.2(N2) U1.M13(GNDADC_0) U1.N13(VREFN_0) U1.P14(VREFP_0)
UNNAMED_6_DIOLED_I280_N: D4.C(N) R172.1(N1)
UNNAMED_6_ICXC7Z035_I180_CFGBVS: R167.2(N2) U1.T7(CFGBVS_0)
UNNAMED_6_ICXC7Z035_I180_PROGRA: R169.1(N1) U1.V9(PROGRAM_B_0)
UNNAMED_7_CAP_I123_N2: C47.2(N2) U1.R6(MGTREFCLK0P_112)
UNNAMED_7_CAP_I124_N2: C48.2(N2) U1.U5(MGTREFCLK1N_112)
UNNAMED_7_CAP_I125_N2: C45.2(N2) U1.R5(MGTREFCLK0N_112)
UNNAMED_7_CAP_I126_N2: C46.2(N2) U1.U6(MGTREFCLK1P_112)
UNNAMED_7_ICXC7Z035_I94_MGTRREF: R10.2(N2) U1.AB8(MGTRREF_112)
UNNAMED_8_AD9361_I22_RBIAS: R125.1(N1) U17.L4(RBIAS)
UNNAMED_8_AD9361_I22_RXVCOLDOOU: C13.1(N1) R124.1(N1) U17.G2(RX_VCO_LDO_OUT) U17.G3(VDDA1P1_RX_VCO)
UNNAMED_8_CAP_I19_N1: C12.1(N1) R124.2(N2)
UNNAMED_8_CAP_I51_N1: C105.1(N1) R123.2(N2)
UNNAMED_8_CAP_I135_N1: C8.1(N1) T1.6(SEC_DOT)
UNNAMED_8_CAP_I136_N1: C9.1(N1) T1.4(SEC)
UNNAMED_8_CAP_I137_N1: C10.1(N1) T3.6(SEC_DOT)
UNNAMED_8_CAP_I138_N1: C11.1(N1) T3.4(SEC)
UNNAMED_8_CAP_I199_N1: C7.1(N1) R2.2(N2)
UNNAMED_8_CAP_I200_N1: C6.1(N1) R1.2(N2)
UNNAMED_8_CAP_I209_N2: C25.2(N2) T5.6(SEC_DOT)
UNNAMED_8_CAP_I210_N2: C26.2(N2) T5.4(SEC)
UNNAMED_8_CAP_I220_N2: C32.2(N2) T7.6(SEC_DOT)
UNNAMED_8_CAP_I221_N2: C33.2(N2) T7.4(SEC)